# Altium PCB CSU RevA_ASCII.PcbDoc (part 1 of 5) (continued)
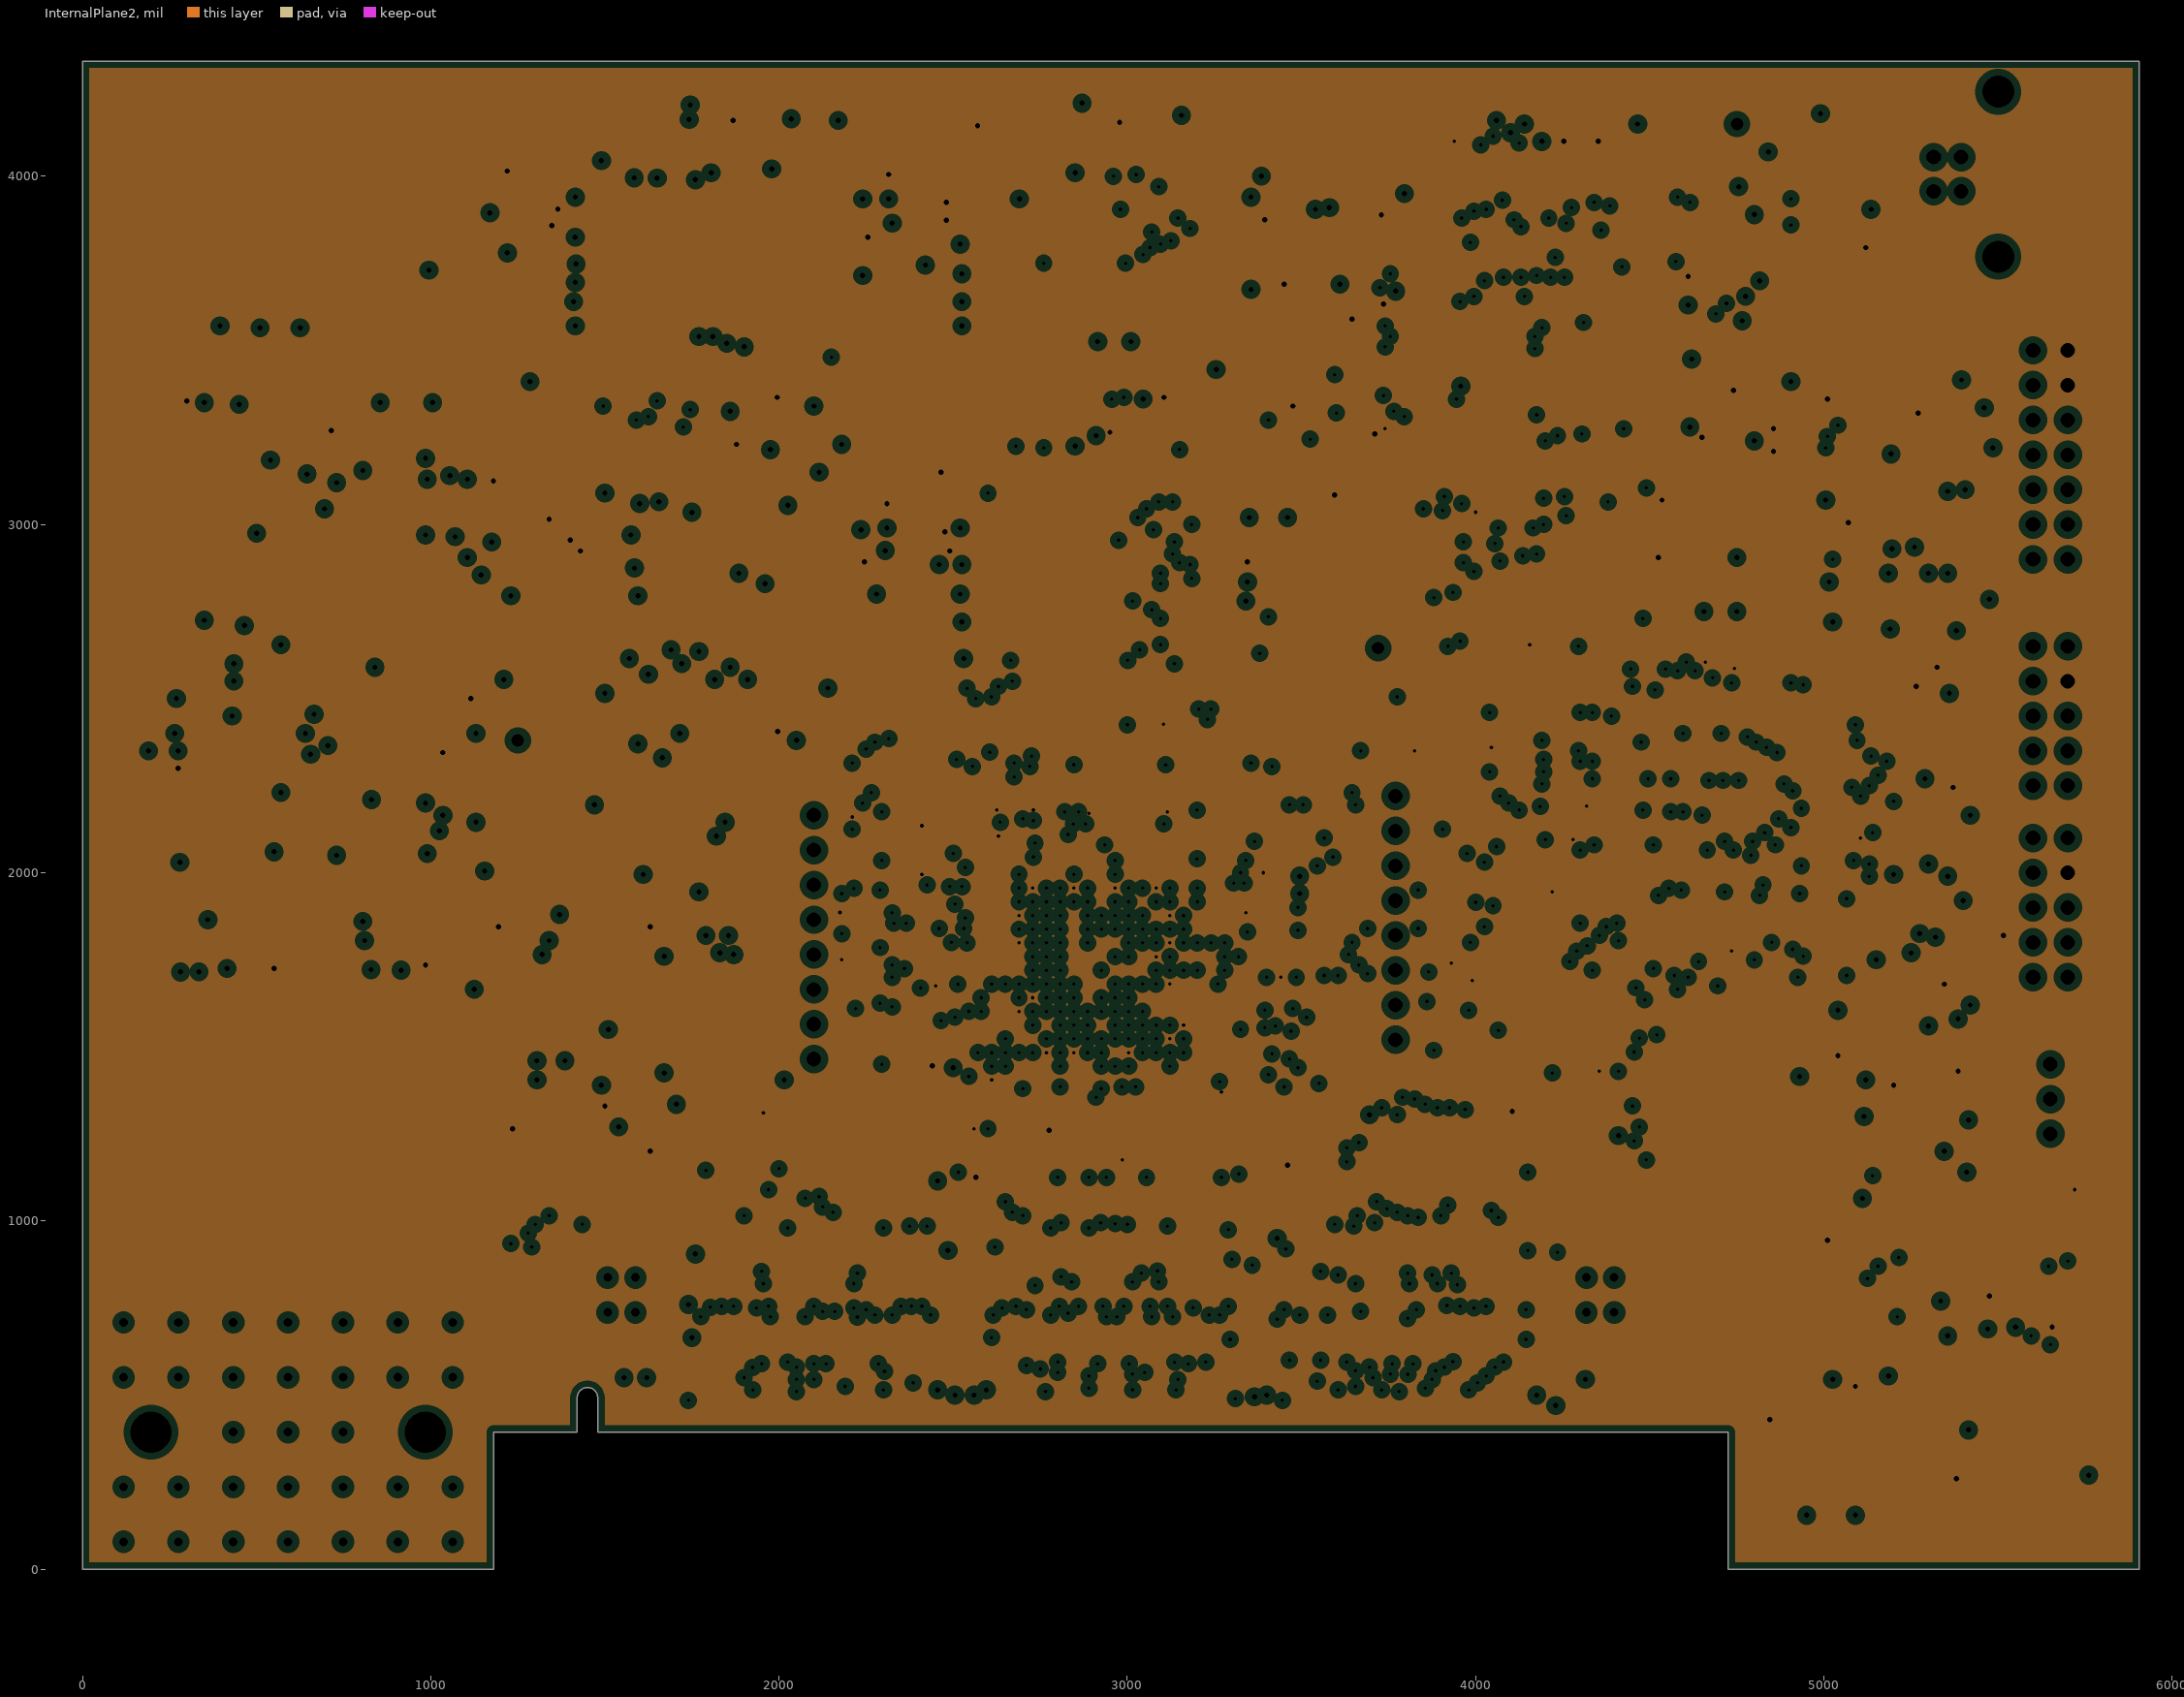
[diagram p4: InternalPlane2, clearances drawn from the general rule]
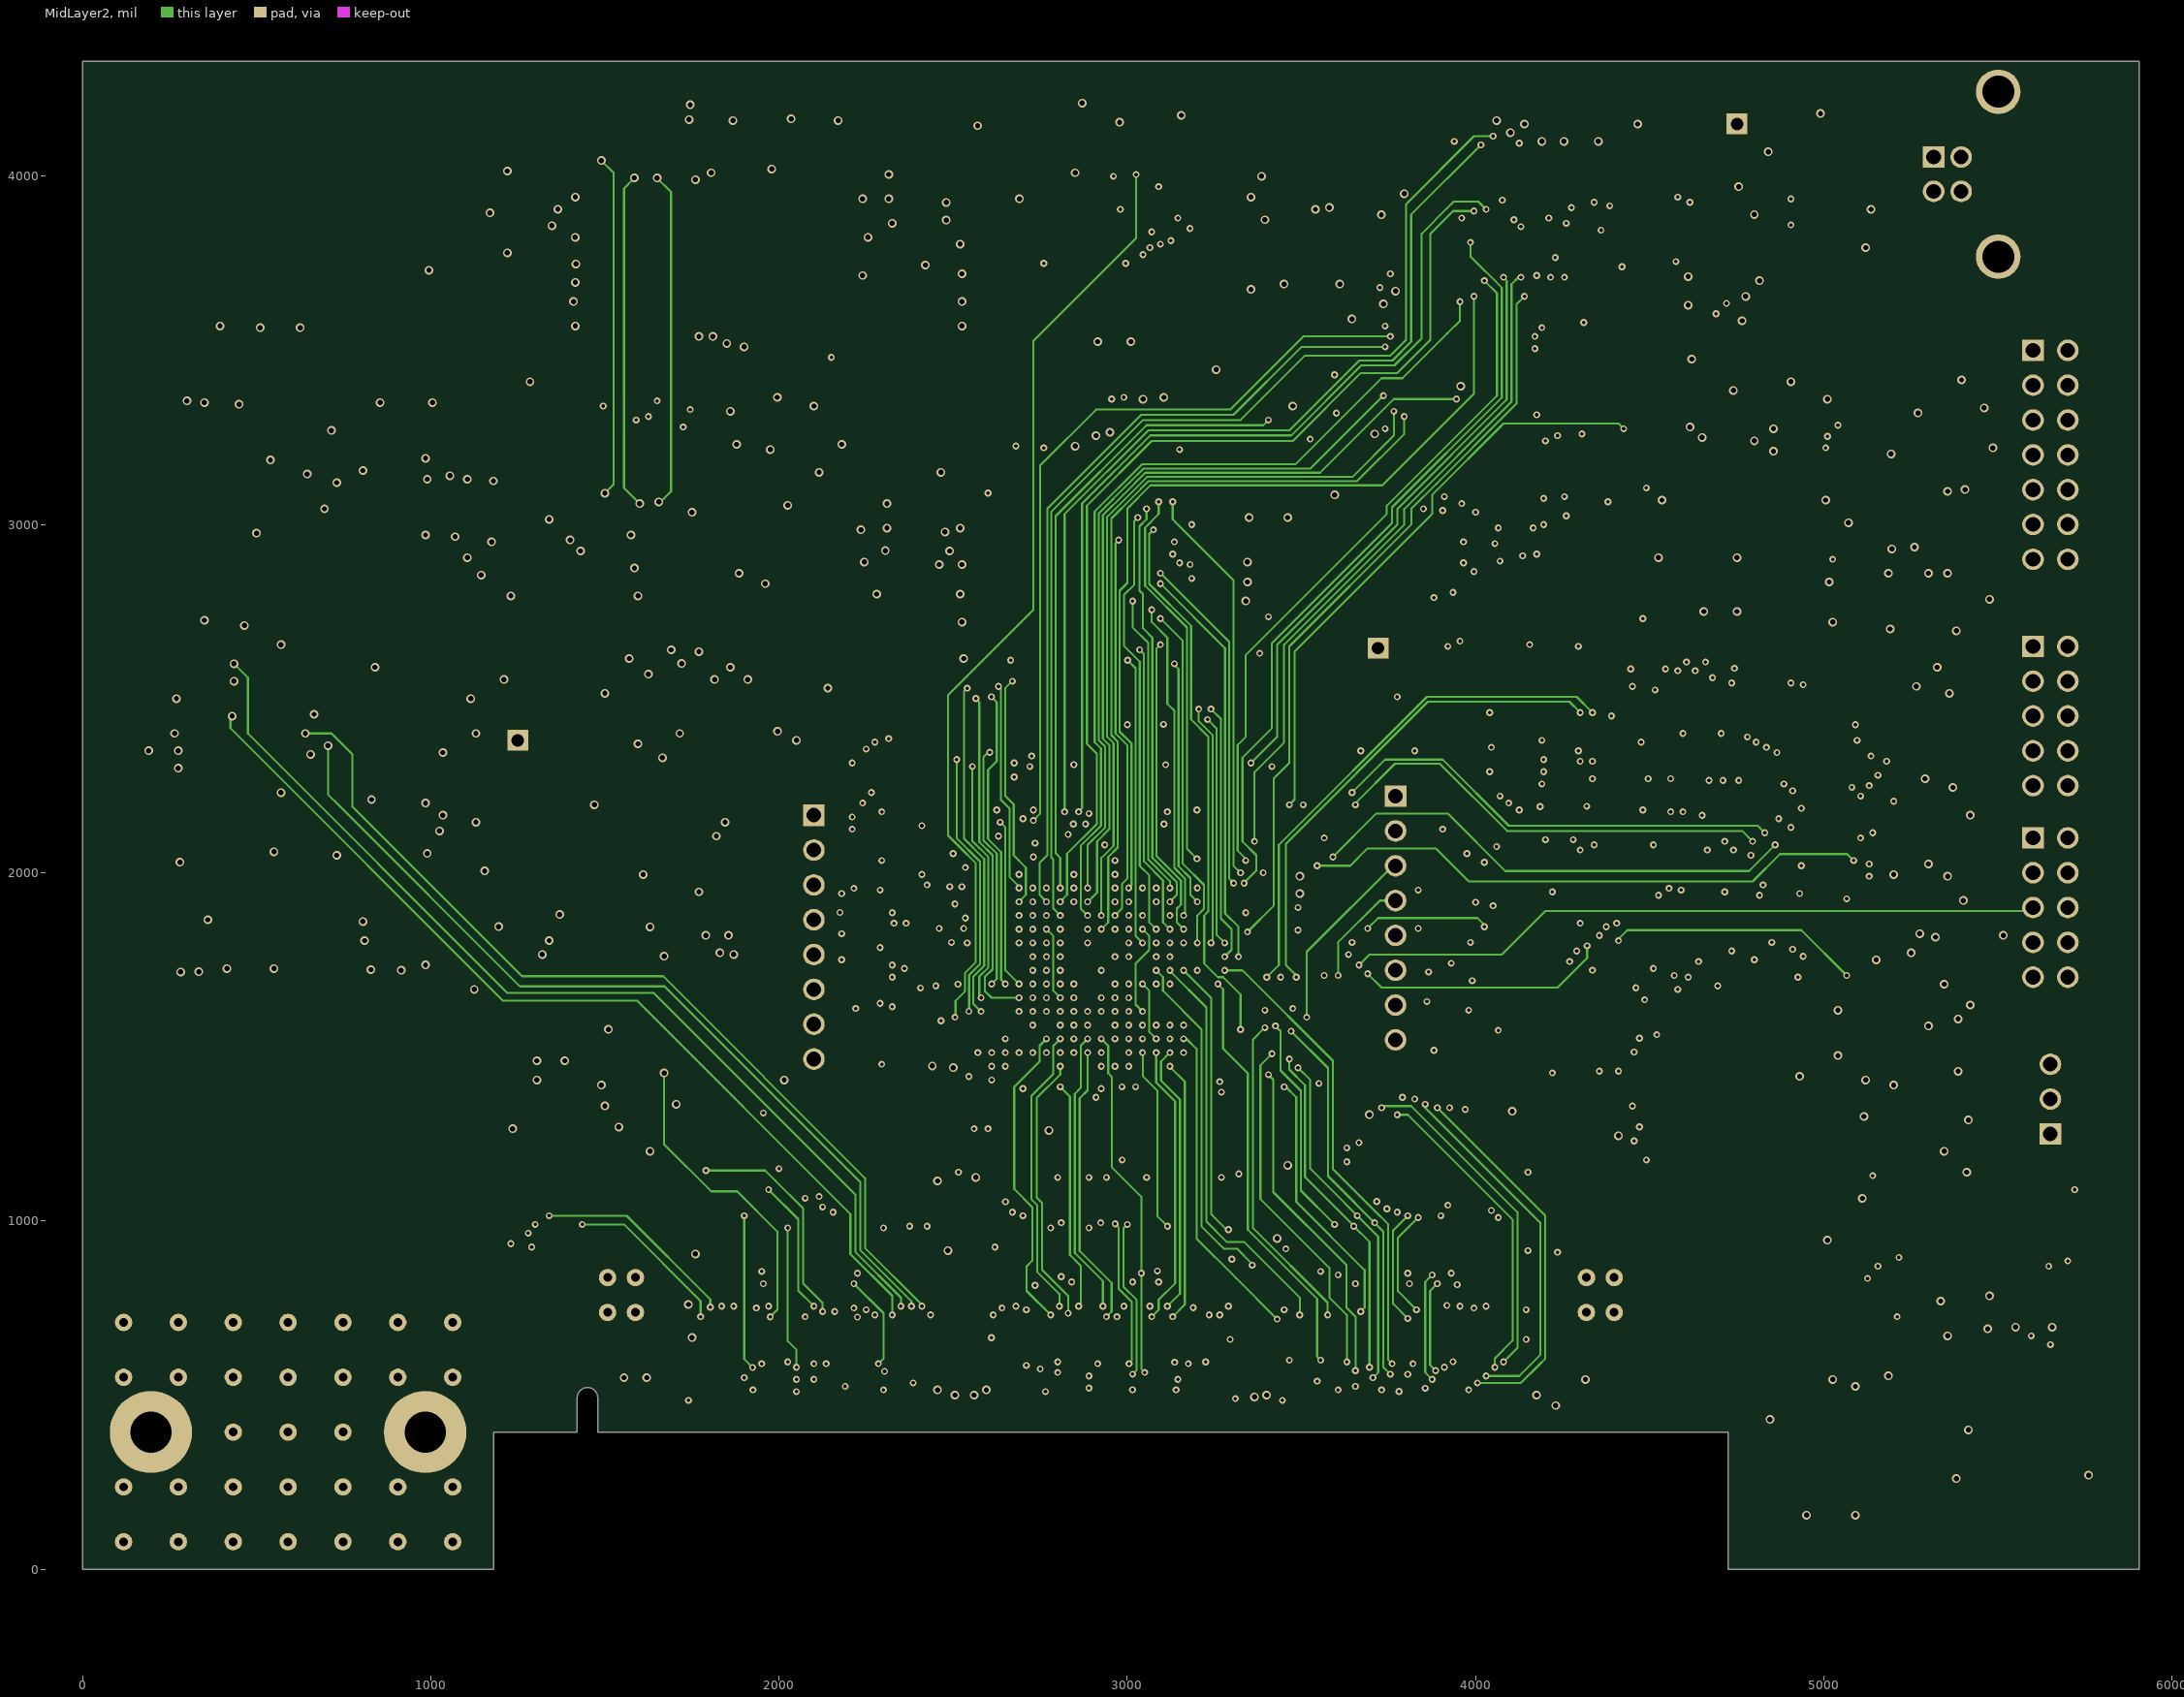
[diagram p5: MidLayer2]
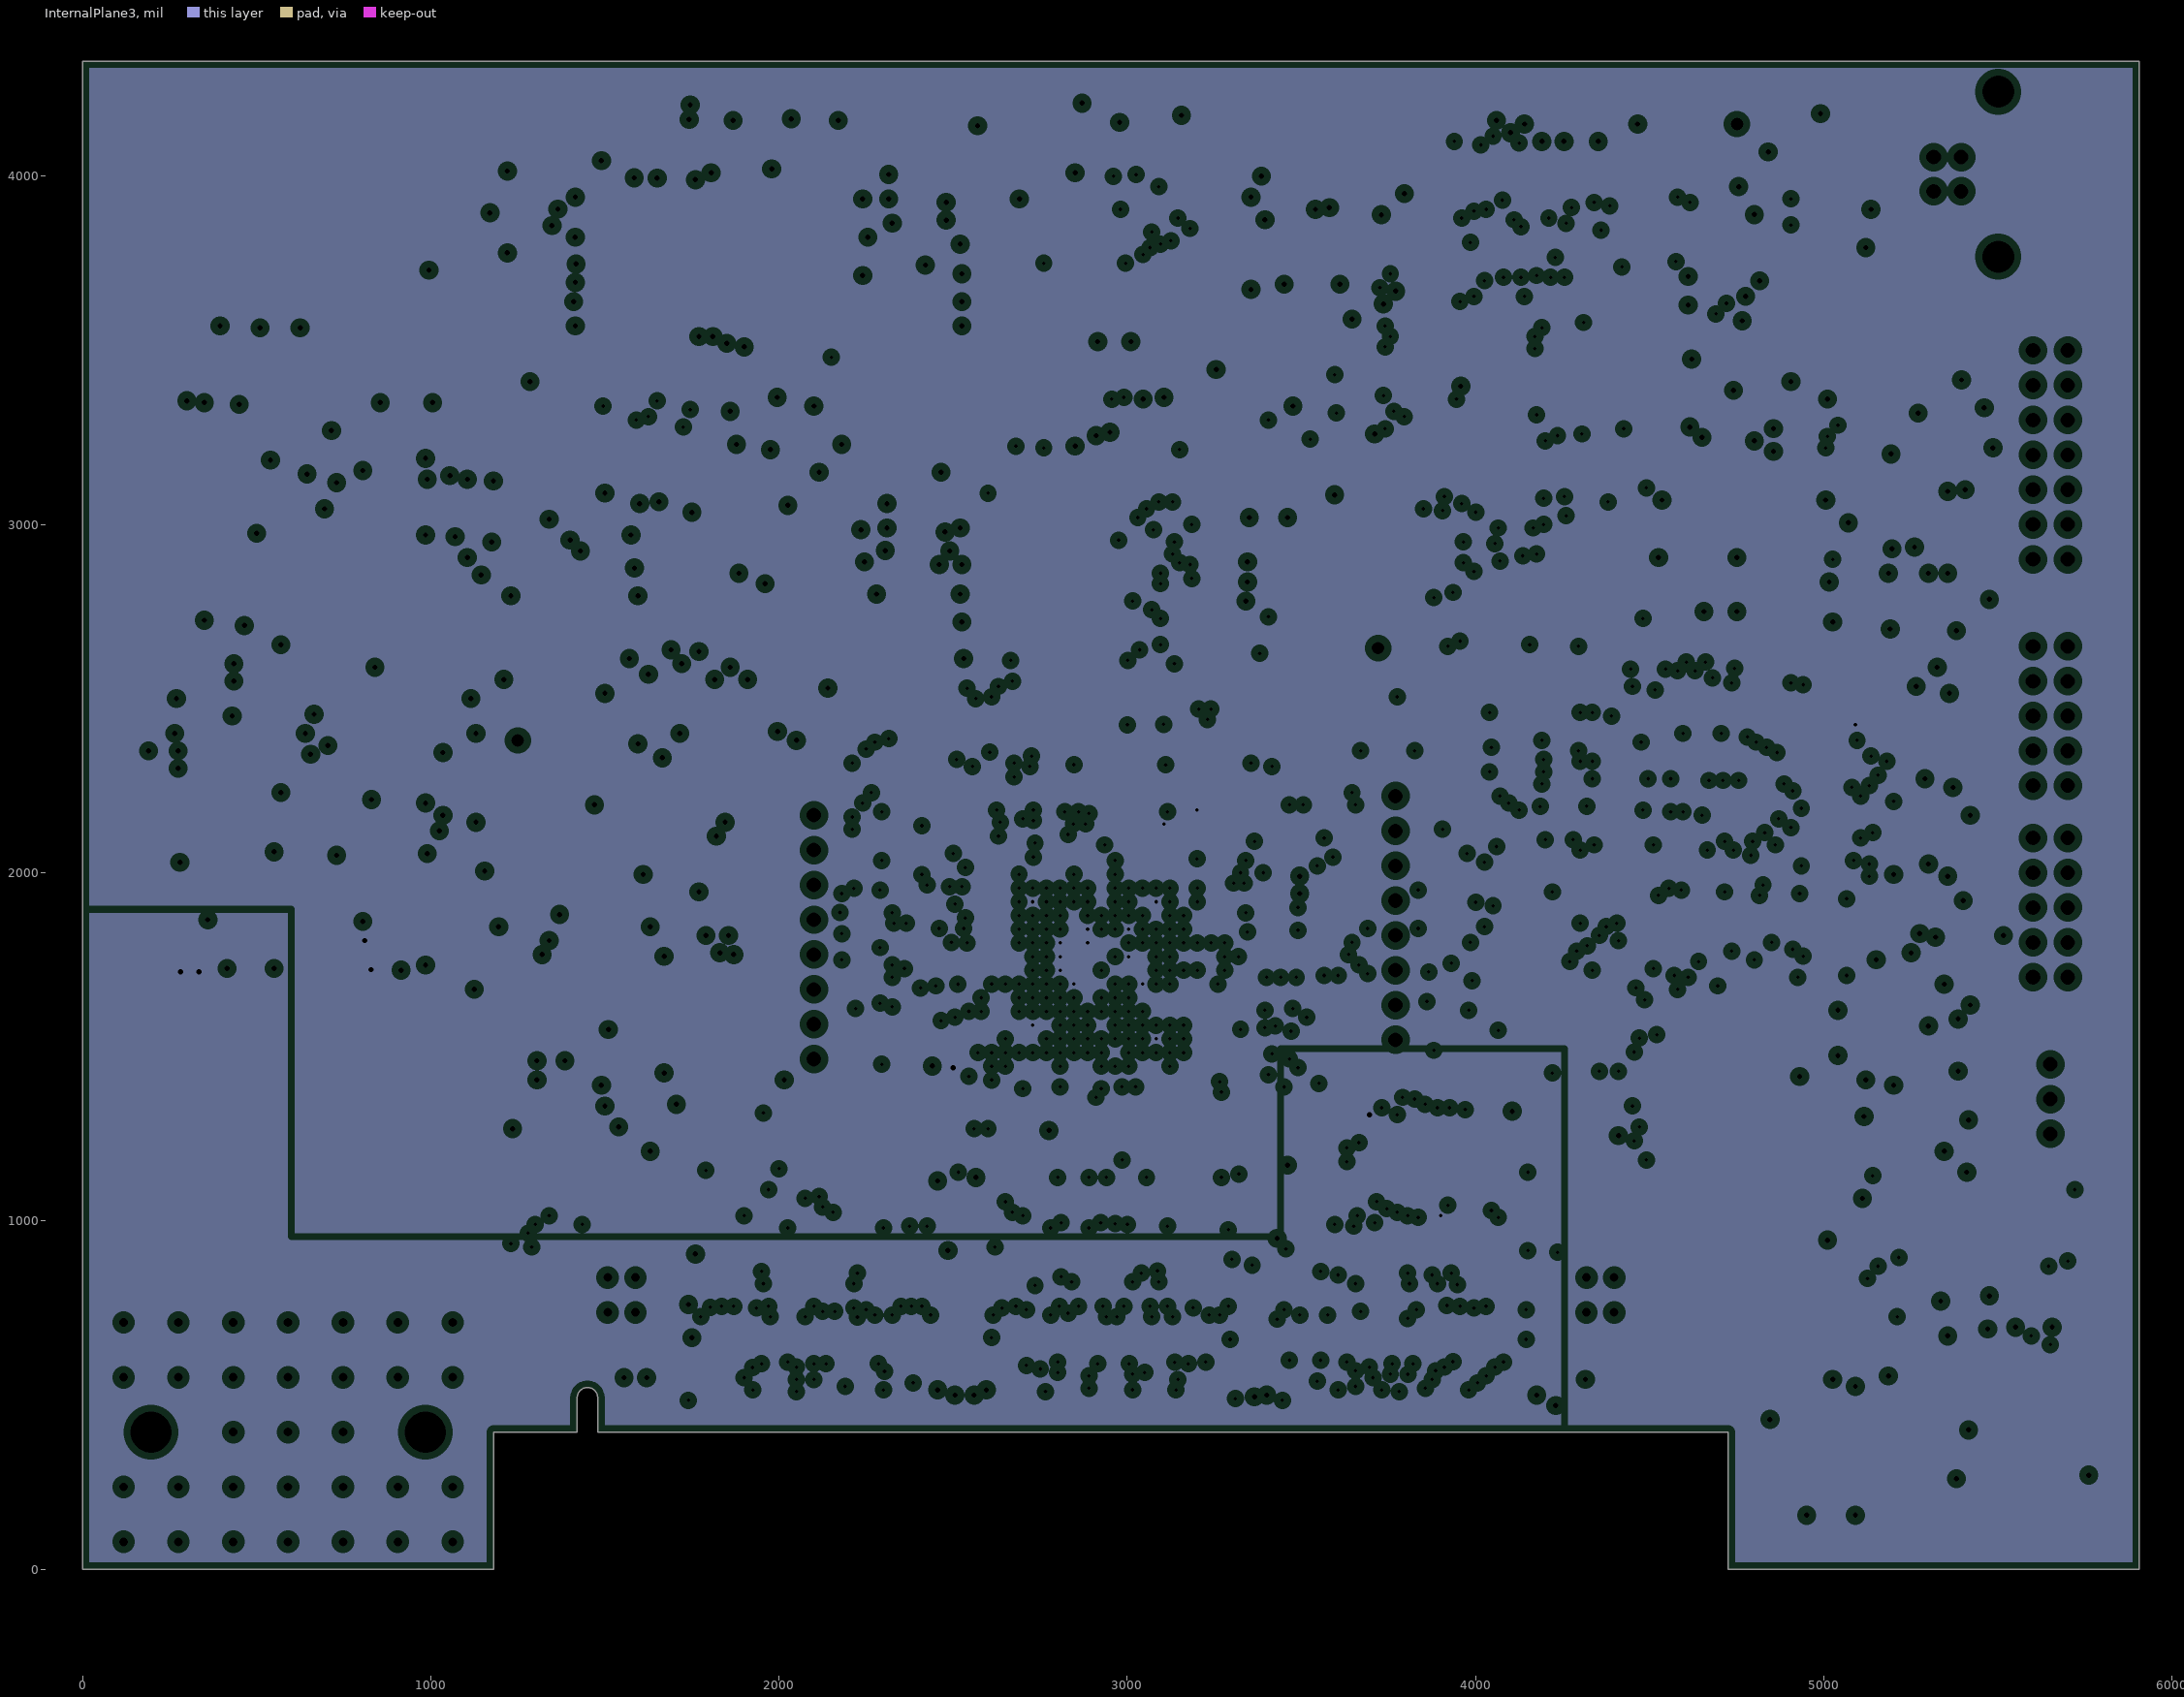
[diagram p6: InternalPlane3, clearances drawn from the general rule]